# Allegro board MinnowMax_RevA1.brd (continued)
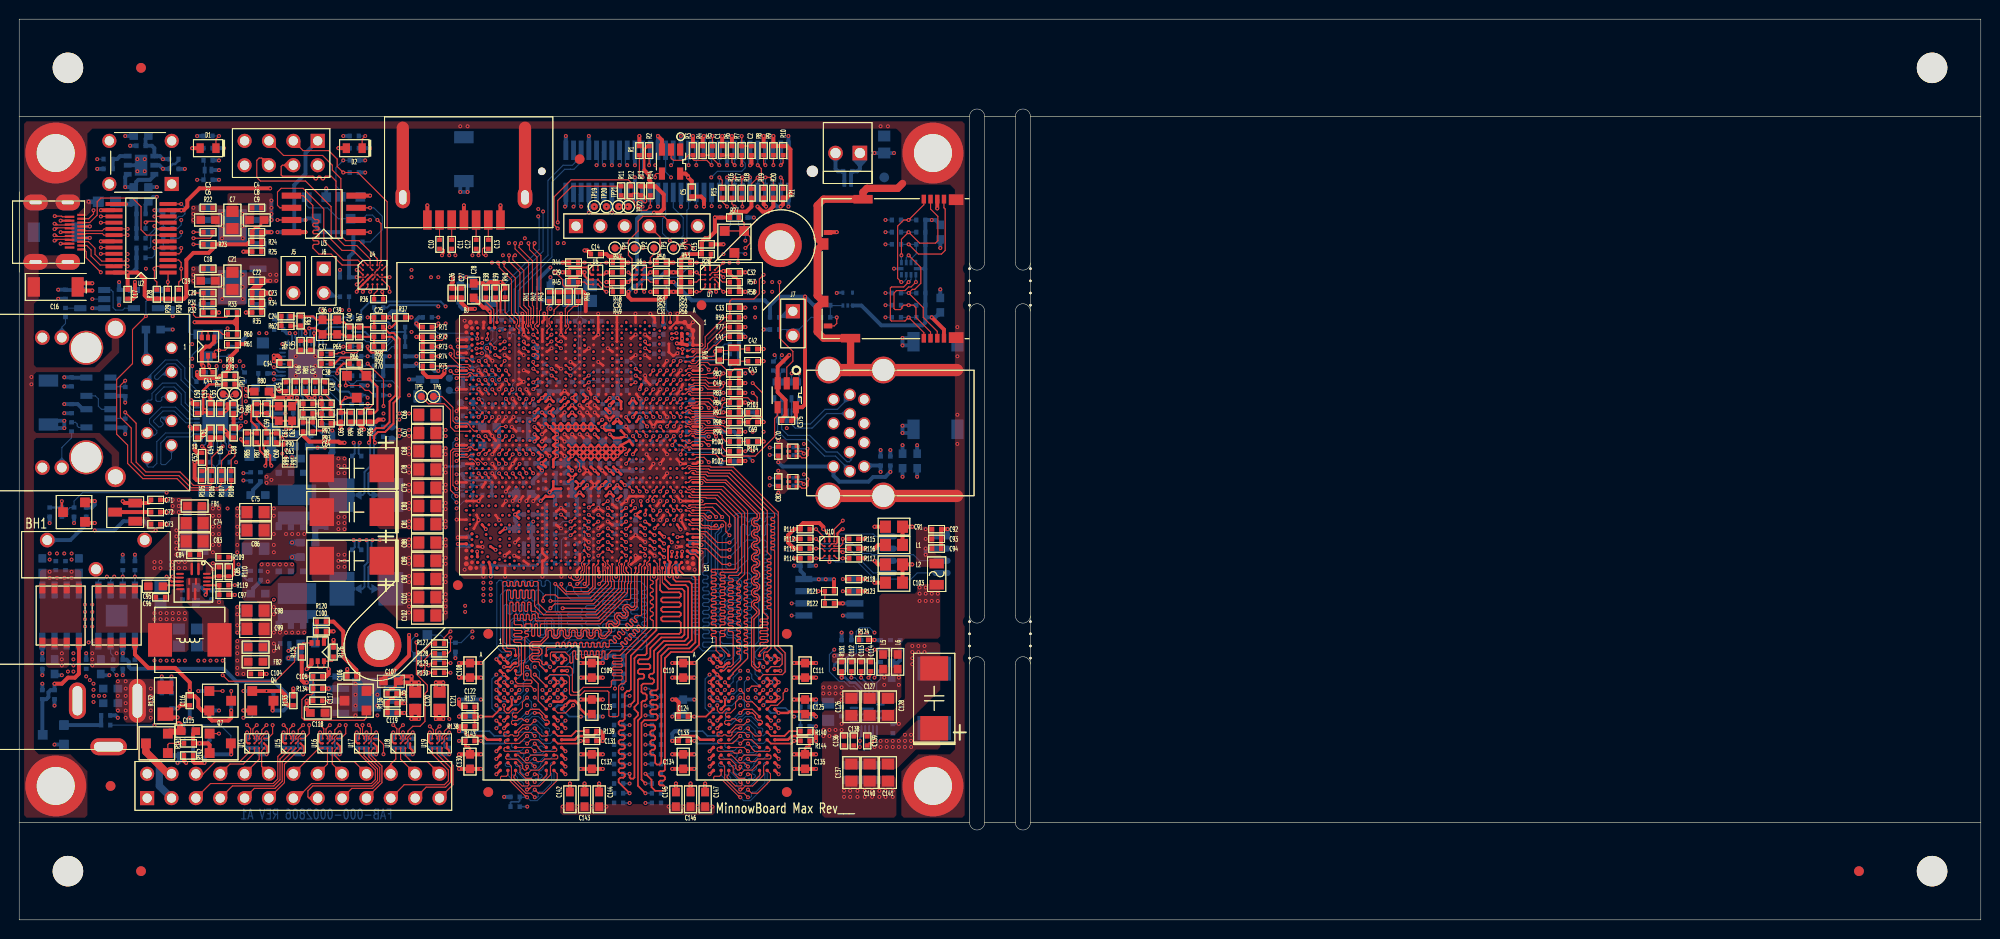
[diagram p0: board, top side]
## Routing (per net, layer and track width the routed paths; a pad name or vN(x,y) marks a point on that pad's centre or on a via; arc(x,y) is an arc through that point) (continued)
M_BS_A2: length 67.4
  TOP w0.102: MEM1.M3 51.94,18.79 52.7,19.56 53.37,19.56 v1(53.74,19.19) ; MEM2.M3 74.16,18.79 74.93,19.56 75.6,19.56 v1(75.97,19.19)
  TOP w0.173: v1(65.28,20.32) 66.13,20.32 66.29,20.15 66.29,19.92 66.13,19.76 65.93,19.76 65.79,19.61 65.79,19.38 65.93,19.24 66.15,19.24 66.29,19.09 66.29,18.89 66.15,18.74 65.93,18.74 65.79,18.6 65.79,18.39 65.93,18.25 66.15,18.25 66.29,18.1 66.29,17.9 66.15,17.75 65.95,17.75 65.79,17.59 65.79,17.35 65.91,17.22 66.17,17.22 66.29,17.1 66.29,16.38 66.47,16.2 66.76,16.2 66.93,16.37 66.93,27.56 67.69,28.32 69.85,28.32 70.48,28.96 70.48,35.69 70.17,36 69.28,36 68.8,36.48 68.8,37.05 CPU1.D52
  INT7(H) w0.157: v1(53.74,19.19) 53.87,19.06 61.73,19.06 62.48,19.81 64.77,19.81 v1(65.28,20.32) 66.42,19.18 66.93,19.18 67.18,19.43 67.69,19.43 67.94,19.18 68.45,19.18 68.7,19.43 69.34,19.43 69.6,19.18 70.1,19.18 70.35,19.43 70.74,19.43 70.99,19.18 74.42,19.18 74.81,18.79 75.56,18.79 v1(75.97,19.19)
  BOTTOM w0.102: v1(53.74,19.19) 53.58,19.19 53.47,19.29 53.47,19.46 53.58,19.56 54.01,19.56 54.23,19.34 54.23,19.05 54.49,18.79 MEM4.M3 ; MEM3.M3 76.71,18.79 76.45,19.05 76.45,19.34 76.23,19.56 75.8,19.56 75.7,19.46 75.7,19.29 75.8,19.19 v1(75.97,19.19)
  BOTTOM w0.173: R314.1 v1(65.28,20.32)
M_CAS_A_L: length 68.3
  TOP w0.102: MEM1.K3 51.41,20.39 51.31,20.49 51.31,20.69 51.41,20.79 51.91,20.79 52.1,20.98 52.43,20.98 52.62,20.79 v1(52.94,20.79) ; MEM2.K3 73.63,20.39 73.53,20.49 73.53,20.69 73.63,20.79 74.13,20.79 74.32,20.98 74.65,20.98 74.84,20.79 v1(75.16,20.79)
  TOP w0.173: CPU1.M44 v1(65.24,40.84)
  INT4(H) w0.157: v1(52.94,20.79) 53.34,20.39 58.36,20.39 58.67,20.7 59.12,20.7 59.42,20.4 59.77,20.4 60.07,20.7 60.55,20.7 60.85,20.4 61.3,20.4 61.59,20.7 61.98,20.7 62.29,20.39 62.68,20.39 v1(63.63,21.34) 64.26,21.34 64.77,20.83 67.31,20.83 67.75,20.39 74.76,20.39 v1(75.16,20.79)
  INT8(V) w0.102: 65.88,37.43 65.88,40.21 v1(65.24,40.84)
  INT8(V) w0.157: v1(63.63,21.34) 64.13,21.84 64.13,24.89 64.83,25.59 65.98,25.59 66.17,25.78 66.17,26.04 66.04,26.16 65.15,26.16 65.02,26.29 65.01,26.29 65.01,26.46 65.16,26.6 66.02,26.6 66.17,26.75 66.17,26.95 66.02,27.1 65.16,27.1 65.01,27.24 65.01,27.45 65.16,27.59 66.02,27.59 66.17,27.74 66.17,27.94 66.02,28.09 65.16,28.09 65.01,28.23 65.01,28.44 65.16,28.58 66.02,28.58 66.17,28.73 66.17,28.93 66.02,29.08 65.16,29.08 65.01,29.22 65.01,29.43 65.16,29.57 66.02,29.57 66.17,29.72 66.17,29.92 66.02,30.07 65.41,30.07 65.26,30.21 65.26,30.42 65.41,30.56 66.02,30.56 66.17,30.71 66.17,31.17 66.02,31.31 65.92,31.31 65.77,31.46 65.77,31.66 65.92,31.81 66.02,31.81 66.17,31.95 66.17,32.16 66.02,32.3 65.92,32.3 65.77,32.45 65.77,32.65 65.92,32.8 66.02,32.8 66.17,32.94 66.17,33.15 66.02,33.29 65.92,33.29 65.77,33.44 65.77,33.64 65.92,33.79 66.02,33.79 66.17,33.93 66.17,34.14 66.02,34.28 65.92,34.28 65.77,34.43 65.77,34.63 65.92,34.78 66.02,34.78 66.17,34.92 66.17,35.13 65.77,35.52 65.77,37.32 65.88,37.43
  BOTTOM w0.102: v1(52.94,20.79) 53.05,20.79 53.47,21.21 54.12,21.21 MEM4.K3 ; v1(75.16,20.79) 75.27,20.79 75.69,21.21 76.35,21.21 MEM3.K3
  BOTTOM w0.173: R317.1 v1(63.63,21.34)
M_CKE_A0: length 79.3
  TOP w0.173: MEM1.K9 v1(56.94,19.99) ; CPU1.C47 v1(68.61,39.94) ; MEM2.K9 v1(79.16,19.99)
  INT3(V) w0.157: v1(71.96,19.99) 71.58,20.38 71.58,20.95 72.22,21.59 73.41,21.59 74.21,22.39 v1(75.16,22.39) ; v1(52.94,22.39) 53.35,21.98 54.22,21.98 54.74,21.46 54.74,20.94 55.28,20.39 MEM1.K9 v1(56.94,19.99)
  INT4(H) w0.157: v1(52.94,22.39) 53.34,21.99 54.21,21.99 54.6,21.6 62.87,21.6 63.24,21.96 64.89,21.96 v1(65.28,22.35) 66.04,21.59 66.42,21.59 66.81,21.98 67.05,21.98 67.44,21.59 67.69,21.59 68.08,21.98 68.32,21.98 68.71,21.59 68.96,21.59 69.35,21.98 69.59,21.98 69.97,21.6 70.24,21.6 70.62,21.98 70.86,21.98 71.63,21.21 72.26,21.21 72.59,21.54 72.82,21.54 73.15,21.21 73.41,21.21 73.79,21.59 74.04,21.59 74.3,21.34 74.66,21.34 74.79,21.46 74.79,22.02 v1(75.16,22.39)
  INT7(H) w0.157: v1(52.94,22.39) 52.49,22.39 52.07,21.97 52.07,21.46 52.32,21.21 52.32,20.7 52.04,20.42 50.16,20.42 v1(49.74,19.99) ; v1(79.16,19.99) MEM2.K9 77.51,20.39 76.96,20.94 76.96,21.46 76.45,21.98 75.58,21.98 v1(75.16,22.39)
  INT8(V) w0.157: v1(68.61,39.94) 69.47,39.07 69.47,37.72 68.96,37.21 68.96,21.65 68.8,21.49 68.58,21.49 68.45,21.62 68.45,22.35 68.33,22.48 68.07,22.48 67.94,22.35 67.94,21.97 67.82,21.84 67.6,21.84 67.44,22 67.44,22.84 67.3,22.99 67.09,22.99 66.95,22.84 66.95,21.86 66.8,21.72 66.6,21.72 66.45,21.86 66.45,22.84 66.31,22.99 66.1,22.99 65.96,22.84 65.96,21.88 65.79,21.72 65.44,21.72 65.28,21.88 v1(65.28,22.35)
  BOTTOM w0.173: v1(49.74,19.99) MEM4.K9 ; MEM3.K9 72.36,20.39 v1(71.96,19.99) ; R312.1 v1(65.28,22.35)
M_CLK_A_N0: length 71.6
  TOP w0.119: MEM1.K7 55.12,20.39 55.24,20.51 55.24,20.68 55.09,20.83 54.78,20.83 54.52,21.1 54.52,21.28 54.21,21.59 v1(53.74,21.59) ; v1(75.97,21.59) 76.43,21.59 76.74,21.28 76.74,21.1 77.01,20.83 77.32,20.83 77.46,20.68 77.46,20.51 77.34,20.39 MEM2.K7 ; CPU1.M48 v1(65.24,38.71)
  INT7(H) w0.114: v1(75.97,21.59) 75.6,21.23 74.91,21.23 74.42,21.72 67.31,21.72 65.91,23.11 64.64,23.11 63.63,24.13 v1(62.87,24.13) 62.61,23.88 62.4,23.88 62.26,23.74 60.06,23.74 59.82,23.49 59.82,22.86 60.05,22.63 61.32,22.63 61.59,22.36 61.59,21.9 61.33,21.64 54.07,21.64 54.02,21.69 53.84,21.69 v1(53.74,21.59)
  INT8(V) w0.114: v1(62.87,24.13) 62.87,20.57 62.47,20.18 62.47,18.98 62.15,18.66 61.53,18.66 61.21,18.97 61.21,20.55 61.86,21.19 61.86,22.72 61.21,23.37 61.21,29.08 62.1,29.97 62.48,29.97 62.62,30.11 62.62,30.48 63.01,30.86 63.37,30.86 63.64,31.13 63.64,31.51 63.92,31.79 64.3,31.79 64.64,32.13 64.64,32.77 64.39,33.02 64.39,33.53 64.64,33.78 64.64,34.08 64.4,34.32 64.4,34.68 64.64,34.93 64.64,35.22 64.39,35.47 64.39,35.88 64.64,36.14 64.64,36.37 64.39,36.63 64.39,37.04 64.61,37.26 64.61,38.44 64.87,38.71 v1(65.24,38.71)
  BOTTOM w0.119: v1(62.87,24.13) 62.87,24.67 C331.1 62.99,24.8 R304.1 ; MEM3.K7 74.24,20.39 75.06,21.21 75.31,21.21 75.69,21.59 v1(75.97,21.59) ; MEM4.K7 52.01,20.39 52.83,21.21 53.09,21.21 53.47,21.59 v1(53.74,21.59)
M_CLK_A_P0: length 71.6
  TOP w0.119: MEM1.J7 54.94,21.22 54.19,21.97 53.32,21.97 v1(52.94,21.59) ; v1(65.24,38) 65.29,38.05 65.29,38.21 65.18,38.32 64.82,38.32 CPU1.M50 ; MEM2.J7 77.16,21.22 76.41,21.97 75.55,21.97 v1(75.16,21.59)
  INT7(H) w0.114: v1(75.16,21.59) 74.89,21.59 74.52,21.96 67.41,21.96 66.01,23.36 65.81,23.36 64.74,23.36 63.73,24.37 63.26,24.37 63.11,24.52 62.62,24.52 62.48,24.38 62.48,24.23 62.38,24.13 v1(62.1,24.13) 61.96,23.98 60.16,23.98 59.96,23.98 59.58,23.59 59.58,22.96 59.58,22.76 59.95,22.38 61.21,22.38 61.34,22.25 61.34,22 61.22,21.88 54.19,21.88 54.1,21.97 53.51,21.97 53.38,21.84 53.38,21.69 53.28,21.59 v1(52.94,21.59)
  INT8(V) w0.114: v1(62.1,24.13) 62,24.03 62,23.84 62.12,23.72 62.29,23.72 62.37,23.8 62.53,23.8 62.62,23.71 62.62,20.67 62.23,20.28 62.23,19.08 62.05,18.9 61.63,18.9 61.46,19.07 61.46,20.45 62.1,21.09 62.1,22.82 61.46,23.47 61.46,28.98 62.2,29.73 62.58,29.73 62.87,30.01 62.87,30.38 63.11,30.62 63.47,30.62 63.88,31.03 63.88,31.41 64.02,31.55 64.4,31.55 64.88,32.03 64.88,32.87 64.63,33.12 64.63,33.43 64.88,33.68 64.88,34.18 64.64,34.42 64.64,34.58 64.88,34.83 64.88,35.32 64.63,35.57 64.63,35.78 64.88,36.04 64.88,36.47 64.63,36.73 64.63,36.94 64.85,37.16 64.85,38.23 64.97,38.35 65.17,38.35 65.24,38.28 v1(65.24,38)
  BOTTOM w0.119: MEM3.J7 73.73,21.19 73.62,21.09 73.62,20.89 73.73,20.79 74.25,20.79 75.06,21.59 v1(75.16,21.59) ; v1(62.1,24.13) 62.1,24.67 C331.2 61.98,24.8 R305.1 ; v1(52.94,21.59) 52.83,21.59 52.03,20.79 51.5,20.79 51.4,20.89 51.4,21.09 51.5,21.19 MEM4.J7
M_CLK_A_R: length 2
  BOTTOM w0.173: R305.2 R304.2 62.99,27.53 C320.1
M_CS_A_L0: length 74.1
  TOP w0.102: v1(52.94,19.99) 52.5,19.99 52.07,19.56 52.07,19.3 51.95,19.19 51.55,19.19 51.44,19.3 51.18,19.3 51.05,19.18 50.62,19.18 50.52,19.28 50.52,19.49 50.62,19.59 MEM1.L2 ; v1(75.16,19.99) 74.73,19.99 74.3,19.56 74.3,19.3 74.18,19.19 73.78,19.19 73.66,19.3 73.41,19.3 73.28,19.18 72.84,19.18 72.74,19.28 72.74,19.49 72.84,19.59 MEM2.L2
  TOP w0.173: CPU1.P44 v1(63.26,40.8)
  INT4(H) w0.157: v1(75.16,19.99) 74.75,19.57 67.42,19.57 67.18,19.81 64.77,19.81 64.26,20.32 v1(63.63,20.32) 62.9,19.59 62.33,19.59 61.98,19.94 61.65,19.94 61.3,19.59 60.88,19.59 60.53,19.94 60.07,19.94 59.73,19.59 59.43,19.59 59.08,19.94 58.75,19.94 58.41,19.59 53.34,19.59 v1(52.94,19.99)
  INT8(V) w0.157: v1(63.26,40.8) 63.75,40.3 63.75,32.64 60.33,29.21 60.33,16.92 60.48,16.76 61.25,16.76 61.4,16.92 61.4,17.64 61.54,17.78 61.99,17.78 62.13,17.64 62.13,16.9 62.27,16.76 62.96,16.76 63.12,16.92 63.12,20.07 63.37,20.32 v1(63.63,20.32)
  BOTTOM w0.102: v1(52.94,19.99) 53.3,20.35 53.95,20.35 54.48,19.81 54.48,19.56 54.83,19.21 55.36,19.21 MEM4.L2 ; v1(75.16,19.99) 75.52,20.35 76.17,20.35 76.71,19.81 76.71,19.56 77.06,19.21 77.58,19.21 MEM3.L2
  BOTTOM w0.173: R318.1 v1(63.63,20.32)
M_DATA_A0: length 37.2
  TOP w0.114: CPU1.M36 v1(65.42,44.69) ; MEM2.E3 v1(73.56,24.79)
  INT3(V) w0.102: v1(65.42,44.69) 65.42,44.34 65.14,44.06 65.14,43.55 65.35,43.34 68.92,43.34 70.99,41.27 71.88,41.27 72.52,40.64 74.04,40.64 74.68,40 74.68,33.61 75.56,32.72 75.56,32.53 75.43,32.4 74.81,32.4 74.68,32.26 74.68,32.07 74.81,31.94 75.43,31.94 75.56,31.81 75.56,31.62 75.43,31.48 74.81,31.48 74.68,31.35 74.68,31.16 74.81,31.03 75.43,31.03 75.56,30.89 75.56,30.7 75.43,30.57 74.81,30.57 74.68,30.43 74.68,30.24 74.81,30.11 75.43,30.11 75.56,29.98 75.56,29.79 75.43,29.65 74.81,29.65 74.68,29.52 74.68,29.33 74.81,29.2 75.43,29.2 75.56,29.06 75.56,28.87 75.43,28.74 74.79,28.74 74.68,28.62 74.68,28.4 74.79,28.28 75.43,28.28 75.56,28.15 75.56,27.96 73.56,25.96 v1(73.56,24.79)
M_DATA_A1: length 37.2
  TOP w0.114: MEM2.F7 v1(77.57,23.99) ; v1(66.11,44.69) CPU1.J36
  INT3(V) w0.102: v1(77.57,23.99) 77.98,24.4 77.98,25.15 78.36,25.53 78.36,26.54 77.98,26.92 77.98,30.67 78.07,30.76 78.35,30.76 78.44,30.85 78.44,30.97 78.35,31.06 78.07,31.06 77.98,31.15 77.98,31.28 78.07,31.37 78.35,31.37 78.44,31.46 78.44,31.58 78.35,31.67 78.07,31.67 77.98,31.76 77.98,31.89 78.07,31.98 78.35,31.98 78.44,32.07 78.44,32.19 78.35,32.28 78.07,32.28 77.98,32.37 77.98,32.5 78.07,32.59 78.35,32.59 78.44,32.68 78.44,32.8 78.35,32.89 78.07,32.89 77.98,32.98 77.98,33.11 78.07,33.2 78.35,33.2 78.44,33.29 78.44,33.41 78.35,33.5 78.07,33.5 77.98,33.59 77.98,33.72 78.07,33.81 78.35,33.81 78.44,33.9 78.44,34.02 78.35,34.11 78.07,34.11 77.98,34.2 77.98,34.33 78.07,34.42 78.35,34.42 78.44,34.51 78.44,34.63 78.35,34.72 78.07,34.72 77.98,34.81 77.98,34.94 78.07,35.03 78.35,35.03 78.44,35.12 78.44,39.04 73.03,44.45 70.61,44.45 69.72,45.34 66.75,45.34 v1(66.11,44.69)
M_DATA_A2: length 37.2
  TOP w0.114: CPU1.P40 v1(63.97,43.7) ; MEM2.F2 v1(72.76,23.99)
  INT3(V) w0.102: v1(63.97,43.7) 64.27,43.7 64.9,43.06 66.25,43.06 66.47,42.84 66.47,42.57 66.67,42.37 68.89,42.37 70.48,40.77 71.63,40.77 73.41,38.99 73.41,36.83 74.17,36.07 74.17,33.37 74.05,33.25 73.53,33.25 73.41,33.13 73.41,32.96 73.53,32.84 74.05,32.84 74.17,32.72 74.17,32.55 74.05,32.44 73.53,32.44 73.41,32.32 73.41,32.15 73.53,32.03 74.05,32.03 74.17,31.91 74.17,31.74 74.05,31.62 73.53,31.62 73.41,31.5 73.41,31.34 73.53,31.22 74.05,31.22 74.17,31.1 74.17,30.93 74.05,30.81 73.53,30.81 73.41,30.69 73.41,30.52 73.53,30.4 74.05,30.4 74.17,30.28 74.17,30.12 74.05,30 73.53,30 73.41,29.88 73.41,29.71 73.53,29.59 74.05,29.59 74.17,29.47 74.17,29.3 74.05,29.18 73.53,29.18 73.41,29.07 73.41,28.9 73.53,28.78 74.05,28.78 74.17,28.66 74.17,28.49 74.05,28.37 73.53,28.37 73.41,28.25 73.41,28.08 73.53,27.97 74.05,27.97 74.17,27.85 74.17,27.56 73.15,26.54 73.15,24.38 v1(72.76,23.99)
M_DATA_A3: length 37.1
  TOP w0.114: MEM2.F8 v1(78.37,23.99) ; v1(64.78,43.7) CPU1.M40
  INT3(V) w0.102: v1(64.78,43.7) 64.78,44.21 65.04,44.46 65.04,44.85 65.79,45.59 69.98,45.59 70.74,44.83 73.15,44.83 78.74,39.24 78.74,30.45 78.65,30.37 78.45,30.37 78.36,30.28 78.36,30.15 78.45,30.06 78.65,30.06 78.74,29.97 78.74,29.84 78.65,29.76 78.45,29.76 78.36,29.67 78.36,29.54 78.45,29.45 78.65,29.45 78.74,29.36 78.74,29.24 78.65,29.15 78.45,29.15 78.36,29.06 78.36,28.93 78.45,28.84 78.65,28.84 78.74,28.75 78.74,28.63 78.65,28.54 78.45,28.54 78.36,28.45 78.36,28.32 78.45,28.23 78.65,28.23 78.74,28.14 78.74,28.02 78.65,27.93 78.45,27.93 78.36,27.84 78.36,27.71 78.45,27.62 78.65,27.62 78.74,27.53 78.74,24.37 v1(78.37,23.99)
M_DATA_A4: length 37.1
  TOP w0.114: MEM2.H3 73.68,21.99 73.28,21.59 73.03,21.59 72.77,21.84 72.77,22.38 v1(72.76,22.39) ; CPU1.P36 v1(63.97,44.69)
  INT3(V) w0.102: v1(63.97,44.69) 63.62,44.33 63.62,43.45 63.73,43.33 64.35,43.33 65.01,42.67 65.41,42.67 65.66,42.42 65.66,41.53 65.91,41.27 66.42,41.27 67.06,40.64 67.42,40.64 70.87,37.19 70.87,34.97 70.36,34.46 70.36,34.3 70.48,34.18 70.75,34.18 70.87,34.06 70.87,33.89 70.75,33.77 70.48,33.77 70.36,33.65 70.36,33.48 70.48,33.36 70.75,33.36 70.87,33.24 70.87,33.08 70.75,32.96 70.48,32.96 70.36,32.84 70.36,32.67 70.48,32.55 70.75,32.55 70.87,32.43 70.87,32.26 70.75,32.14 70.48,32.14 70.36,32.03 70.36,31.86 70.48,31.74 70.75,31.74 70.87,31.62 70.87,31.45 70.75,31.33 70.48,31.33 70.36,31.21 70.36,31.04 70.48,30.92 70.75,30.92 70.87,30.81 70.87,30.64 70.75,30.52 70.48,30.52 70.36,30.4 70.36,30.23 70.48,30.11 70.75,30.11 70.87,29.99 70.87,29.82 70.75,29.71 70.48,29.71 70.36,29.59 70.36,29.42 70.48,29.3 70.75,29.3 70.87,29.18 70.87,29.01 70.75,28.89 70.48,28.89 70.36,28.77 70.36,28.61 70.48,28.49 70.75,28.49 70.87,28.37 70.87,28.2 70.75,28.08 70.59,28.08 70.48,27.98 70.48,27.67 70.87,27.28 70.87,22.99 71.81,22.05 72.42,22.05 v1(72.76,22.39)
M_DATA_A5: length 37.2
  TOP w0.114: CPU1.N36 v1(64.68,44.69) ; v1(79.97,23.99) 79.63,23.65 79.63,22.99 79.03,22.39 78.37,22.39 MEM2.H8
  INT3(V) w0.102: v1(64.68,44.69) 64.68,44.87 65.66,45.85 70.23,45.85 70.87,45.21 73.28,45.21 79.12,39.37 79.12,28.07 79.97,27.22 v1(79.97,23.99)
M_DATA_A6: length 37.2
  TOP w0.114: MEM2.G2 v1(72.76,23.19) ; CPU1.K40 v1(66.11,42.71)
  INT3(V) w0.102: v1(66.11,42.71) 66.11,42.35 66.4,42.06 66.96,42.06 67.18,41.84 67.18,41.53 67.44,41.27 69.09,41.27 69.98,40.39 71.37,40.39 72.39,39.37 72.39,37.32 72.51,37.2 72.91,37.2 73.03,37.08 73.03,36.91 72.91,36.79 72.51,36.79 72.39,36.67 72.39,36.5 72.51,36.39 72.91,36.39 73.03,36.27 73.03,36.1 72.91,35.98 72.51,35.98 72.39,35.86 72.39,35.69 72.51,35.57 72.91,35.57 73.03,35.45 73.03,35.29 72.91,35.17 72.51,35.17 72.39,35.05 72.39,34.88 72.51,34.76 72.91,34.76 73.03,34.64 73.03,34.47 72.91,34.35 72.51,34.35 72.39,34.23 72.39,34.07 72.51,33.95 72.91,33.95 73.03,33.83 73.03,33.66 72.91,33.54 72.51,33.54 72.39,33.42 72.39,33.25 72.51,33.13 72.91,33.13 73.03,33.02 73.03,32.85 72.91,32.73 72.51,32.73 72.39,32.61 72.39,32.44 72.51,32.32 72.91,32.32 73.03,32.2 73.03,32.03 72.91,31.92 72.51,31.92 72.39,31.8 72.39,31.63 72.51,31.51 72.91,31.51 73.03,31.39 73.03,31.22 72.91,31.1 72.51,31.1 72.39,30.98 72.39,30.81 72.51,30.7 72.91,30.7 73.03,30.58 73.03,30.41 72.91,30.29 72.51,30.29 72.39,30.17 72.39,30 72.51,29.88 72.91,29.88 73.03,29.76 73.03,29.6 72.91,29.48 72.51,29.48 72.39,29.36 72.39,29.19 72.51,29.07 72.91,29.07 73.03,28.95 73.03,28.78 72.91,28.66 72.51,28.66 72.39,28.54 72.39,28.38 72.51,28.26 72.91,28.26 73.03,28.14 73.03,27.97 72.39,27.34 72.39,23.57 v1(72.76,23.19)
M_DATA_A7: length 37.2
  TOP w0.114: MEM2.H7 76.4,22.75 75.8,22.75 75.56,22.99 75.56,23.59 v1(75.16,23.99) ; CPU1.K42 v1(66.11,41.72)
  INT3(V) w0.102: v1(66.11,41.72) 66.33,41.72 67.03,41.02 67.56,41.02 68.2,40.38 69.09,40.38 69.98,39.5 69.98,38.86 71.88,36.96 71.88,34.42 71.77,34.3 71.49,34.3 71.37,34.18 71.37,34.02 71.49,33.9 71.76,33.9 71.88,33.78 71.88,33.61 71.76,33.49 71.49,33.49 71.37,33.37 71.37,33.2 71.49,33.08 71.76,33.08 71.88,32.96 71.88,32.8 71.76,32.68 71.49,32.68 71.37,32.56 71.37,32.39 71.49,32.27 71.76,32.27 71.88,32.15 71.88,31.98 71.76,31.86 71.49,31.86 71.37,31.75 71.37,31.58 71.49,31.46 71.76,31.46 71.88,31.34 71.88,31.17 71.76,31.05 71.49,31.05 71.37,30.93 71.37,30.76 71.49,30.64 71.76,30.64 71.88,30.53 71.88,30.36 71.76,30.24 71.49,30.24 71.37,30.12 71.37,29.95 71.49,29.83 71.76,29.83 71.88,29.71 71.88,29.54 71.76,29.43 71.49,29.43 71.37,29.31 71.37,29.14 71.49,29.02 71.76,29.02 71.88,28.9 71.88,28.73 71.76,28.61 71.49,28.61 71.37,28.49 71.37,28.33 71.49,28.21 71.76,28.21 71.88,28.09 71.88,27.92 71.37,27.41 71.37,23.24 71.78,22.83 75.29,22.83 75.51,23.05 75.51,23.65 v1(75.16,23.99)
M_DATA_A8: length 32.1
  TOP w0.102: CPU1.B32 70.6,47.1 70.66,47.04
  TOP w0.114: 70.66,47.04 71.88,47.04 72.01,46.91 74.24,46.91 78.74,42.42 78.74,42.05 78.65,41.96 78.45,41.96 78.36,41.87 78.36,41.75 78.45,41.66 78.65,41.66 78.74,41.57 78.74,41.44 78.65,41.35 78.45,41.35 78.36,41.26 78.36,41.14 78.45,41.05 78.65,41.05 78.74,40.96 78.74,40.83 78.65,40.74 78.45,40.74 78.36,40.65 78.36,40.53 78.45,40.44 78.65,40.44 78.74,40.35 78.74,40.22 78.65,40.13 78.45,40.13 78.36,40.04 78.36,39.92 78.45,39.83 78.65,39.83 78.74,39.74 78.74,39.61 78.65,39.52 78.45,39.52 78.36,39.43 78.36,39.31 78.45,39.22 78.65,39.22 78.74,39.13 78.74,39 78.65,38.91 78.45,38.91 78.36,38.82 78.36,38.7 78.45,38.61 78.65,38.61 78.74,38.52 78.74,28.45 79.53,27.66 79.53,26.7 79.25,26.42 78.39,26.42 MEM2.C8
M_DATA_A9: length 32
  TOP w0.102: CPU1.C32 69.44,47.1 69.73,47.39 69.97,47.39 70.06,47.3 70.8,47.3
  TOP w0.114: 70.8,47.3 70.84,47.35 72.01,47.35 72.11,47.24 74.42,47.24 79.12,42.55 79.12,28.57 79.83,27.86 79.83,25.87 79.55,25.59 77.57,25.59 MEM2.D7
M_DATA_A10: length 32
  TOP w0.102: CPU1.C36 69.44,45.16 69.73,44.86 69.99,44.86 70.07,44.95 70.39,44.95 70.43,44.91
  TOP w0.114: MEM2.C3 74.12,25.99 75.18,27.05 75.18,27.63 75.09,27.72 74.89,27.72 74.8,27.81 74.8,27.94 74.89,28.02 75.09,28.02 75.18,28.11 75.18,28.24 75.09,28.33 74.89,28.33 74.8,28.42 74.8,28.54 74.89,28.63 75.09,28.63 75.18,28.72 75.18,28.85 75.09,28.94 74.89,28.94 74.8,29.03 74.8,29.15 74.89,29.24 75.09,29.24 75.18,29.33 75.18,29.46 75.09,29.55 74.89,29.55 74.8,29.64 74.8,29.76 74.89,29.85 75.09,29.85 75.18,29.94 75.18,30.07 75.09,30.16 74.89,30.16 74.8,30.25 74.8,30.37 74.89,30.46 75.09,30.46 75.18,30.55 75.18,30.68 75.09,30.77 74.89,30.77 74.8,30.86 74.8,30.98 74.89,31.07 75.09,31.07 75.18,31.16 75.18,31.29 75.09,31.38 74.89,31.38 74.8,31.47 74.8,31.59 74.89,31.68 75.09,31.68 75.18,31.77 75.18,31.9 75.09,31.99 74.89,31.99 74.8,32.08 74.8,32.2 74.89,32.29 75.09,32.29 75.18,32.38 75.18,32.51 75.09,32.6 74.89,32.6 74.8,32.69 74.8,32.81 74.89,32.9 75.09,32.9 75.18,32.99 75.18,33.12 75.09,33.21 74.89,33.21 74.8,33.3 74.8,33.42 74.89,33.51 75.09,33.51 75.18,33.6 75.18,33.73 75.09,33.82 74.89,33.82 74.8,33.9 74.8,34.03 74.89,34.12 75.09,34.12 75.18,34.21 75.18,34.34 75.09,34.43 74.89,34.43 74.8,34.51 74.8,34.64 74.89,34.73 75.09,34.73 75.18,34.82 75.18,34.95 75.09,35.03 74.89,35.03 74.8,35.12 74.8,35.25 75.62,36.06 75.62,42.49 73.2,44.91 70.43,44.91
M_DATA_A11: length 31.9
  TOP w0.114: CPU1.A37 70.3,44.61 72.99,44.61 75.31,42.29 75.31,36.32 74.93,35.94 74.04,35.94 73.94,35.84 73.94,35.7 74.04,35.59 74.32,35.59 74.42,35.49 74.42,35.35 74.33,35.26 74,35.26 73.91,35.17 73.91,35.04 74,34.95 74.33,34.95 74.42,34.87 74.42,34.74 74.33,34.65 74,34.65 73.91,34.56 73.91,34.43 74,34.35 74.33,34.35 74.42,34.26 74.42,34.13 74.33,34.04 74,34.04 73.91,33.95 73.91,33.82 74,33.74 74.33,33.74 74.42,33.65 74.42,33.52 74.33,33.43 74,33.43 73.91,33.34 73.91,33.22 74,33.13 74.33,33.13 74.42,33.04 74.42,32.91 74.33,32.82 74,32.82 73.91,32.73 73.91,32.61 74,32.52 74.33,32.52 74.42,32.43 74.42,32.3 74.33,32.21 74,32.21 73.91,32.12 73.91,32 74,31.91 74.33,31.91 74.42,31.82 74.42,31.69 74.33,31.6 74,31.6 73.91,31.51 73.91,31.39 74,31.3 74.33,31.3 74.42,31.21 74.42,31.08 74.33,30.99 74,30.99 73.91,30.9 73.91,30.78 74,30.69 74.33,30.69 74.42,30.6 74.42,30.47 74.33,30.38 74,30.38 73.91,30.29 73.91,30.17 74,30.08 74.33,30.08 74.42,29.99 74.42,26.67 74.17,26.42 73.86,26.42 73.44,25.99 MEM2.C2
M_DATA_A12: length 32
  TOP w0.102: 70.61,46.74 70.45,46.89 70.07,46.89 69.79,46.61 CPU1.C33
  TOP w0.114: 70.61,46.74 71.75,46.74 71.88,46.61 74.04,46.61 77.98,42.67 77.98,38.35 78.36,37.97 78.36,37.74 78.27,37.66 78.07,37.66 77.98,37.57 77.98,37.44 78.07,37.35 78.27,37.35 78.36,37.26 78.36,37.13 78.27,37.05 78.07,37.05 77.98,36.96 77.98,36.83 78.07,36.74 78.27,36.74 78.36,36.65 78.36,36.53 78.27,36.44 78.07,36.44 77.98,36.35 77.98,36.22 78.07,36.13 78.27,36.13 78.36,36.04 78.36,35.92 78.27,35.83 78.07,35.83 77.98,35.74 77.98,35.61 78.07,35.52 78.27,35.52 78.36,35.43 78.36,35.31 78.27,35.22 78.07,35.22 77.98,35.13 77.98,35 78.07,34.91 78.27,34.91 78.36,34.82 78.36,34.7 78.27,34.61 78.07,34.61 77.98,34.52 77.98,34.39 78.07,34.3 78.27,34.3 78.36,34.21 78.36,34.09 78.27,34 78.07,34 77.98,33.91 77.98,33.78 78.07,33.69 78.27,33.69 78.36,33.6 78.36,33.48 78.27,33.39 78.07,33.39 77.98,33.3 77.98,33.17 78.07,33.08 78.27,33.08 78.36,32.99 78.36,32.87 78.27,32.78 78.07,32.78 77.98,32.69 77.98,32.56 78.07,32.47 78.27,32.47 78.36,32.38 78.36,28.32 77.98,27.94 77.72,27.94 77.6,27.81 77.6,27.16 MEM2.B8
M_DATA_A13: length 32
  TOP w0.114: CPU1.A33 70.37,46.48 71.58,46.48 71.76,46.3 73.85,46.3 77.6,42.55 77.6,32.06 78.05,31.6 78.05,31.48 77.96,31.39 77.31,31.39 77.22,31.3 77.22,31.17 77.31,31.08 77.96,31.08 78.05,30.99 78.05,30.87 77.96,30.78 77.31,30.78 77.22,30.69 77.22,30.56 77.31,30.47 77.96,30.47 78.05,30.39 78.05,30.26 77.96,30.17 77.31,30.17 77.22,30.08 77.22,29.95 77.31,29.86 77.96,29.86 78.05,29.78 78.05,29.65 77.96,29.56 77.31,29.56 77.22,29.47 77.22,29.34 77.31,29.26 77.96,29.26 78.05,29.17 78.05,29.04 77.96,28.95 77.31,28.95 77.22,28.86 77.22,28.73 77.31,28.65 77.89,28.65 77.98,28.56 77.98,28.43 77.89,28.34 77.62,28.34 77.16,27.89 MEM2.A7
M_DATA_A14: length 32
  TOP w0.102: CPU1.C37 69.58,44.58 69.89,44.58 70.16,44.3
  TOP w0.114: 70.16,44.3 72.79,44.3 74.93,42.16 74.93,36.45 74.75,36.27 73.16,36.27 73.07,36.18 73.07,36.06 73.16,35.97 73.49,35.97 73.58,35.88 73.58,35.75 73.49,35.66 73.16,35.66 73.07,35.57 73.07,35.45 73.16,35.36 73.49,35.36 73.58,35.27 73.58,35.14 73.49,35.05 73.16,35.05 73.07,34.96 73.07,34.84 73.16,34.75 73.49,34.75 73.58,34.66 73.58,34.53 73.49,34.44 73.16,34.44 73.07,34.35 73.07,34.23 73.16,34.14 73.49,34.14 73.58,34.05 73.58,33.92 73.49,33.83 73.16,33.83 73.07,33.74 73.07,33.62 73.16,33.53 73.49,33.53 73.58,33.44 73.58,33.31 73.49,33.22 73.16,33.22 73.07,33.13 73.07,33.01 73.16,32.92 73.49,32.92 73.58,32.83 73.58,32.7 73.49,32.61 73.16,32.61 73.07,32.52 73.07,32.4 73.16,32.31 73.49,32.31 73.58,32.22 73.58,32.09 73.49,32 73.16,32 73.07,31.91 73.07,31.79 73.16,31.7 73.49,31.7 73.58,31.61 73.58,31.48 73.49,31.39 73.16,31.39 73.07,31.31 73.07,31.18 73.16,31.09 73.49,31.09 73.58,31 73.58,30.87 73.49,30.78 73.16,30.78 73.07,30.7 73.07,30.57 73.16,30.48 73.49,30.48 73.58,30.39 73.58,30.26 73.49,30.18 73.16,30.18 73.07,30.09 73.07,29.96 73.16,29.87 73.49,29.87 73.58,29.78 73.58,29.65 73.49,29.57 73.16,29.57 73.07,29.48 73.07,28.49 MEM2.A3
M_DATA_A15: length 31.9
  TOP w0.114: MEM2.A2 72.64,28.11 72.64,29.46 72.54,29.57 72.23,29.57 72.14,29.65 72.14,29.78 72.23,29.87 72.55,29.87 72.64,29.96 72.64,30.09 72.55,30.18 72.23,30.18 72.14,30.26 72.14,30.39 72.23,30.48 72.55,30.48 72.64,30.57 72.64,30.7 72.55,30.78 72.23,30.78 72.14,30.87 72.14,31 72.23,31.09 72.55,31.09 72.64,31.18 72.64,31.31 72.55,31.39 72.23,31.39 72.14,31.48 72.14,31.61 72.23,31.7 72.55,31.7 72.64,31.79 72.64,31.91 72.55,32 72.23,32 72.14,32.09 72.14,32.22 72.23,32.31 72.55,32.31 72.64,32.4 72.64,32.52 72.55,32.61 72.23,32.61 72.14,32.7 72.14,32.83 72.23,32.92 72.55,32.92 72.64,33.01 72.64,33.13 72.55,33.22 72.23,33.22 72.14,33.31 72.14,33.44 72.23,33.53 72.55,33.53 72.64,33.62 72.64,33.74 72.55,33.83 72.23,33.83 72.14,33.92 72.14,34.05 72.23,34.14 72.55,34.14 72.64,34.23 72.64,34.35 72.55,34.44 72.23,34.44 72.14,34.53 72.14,34.66 72.23,34.75 72.55,34.75 72.64,34.84 72.64,34.96 72.55,35.05 72.23,35.05 72.14,35.14 72.14,35.27 72.23,35.36 72.55,35.36 72.64,35.45 72.64,35.57 72.55,35.66 72.23,35.66 72.14,35.75 72.14,35.88 72.23,35.97 72.55,35.97 72.64,36.06 72.64,36.18 72.55,36.27 72.23,36.27 72.14,36.36 72.14,36.49 72.23,36.58 74.52,36.58 74.63,36.68 74.63,41.96 72.59,44 71.63,44 71.56,44.07 69.97,44.07 CPU1.B38
M_DATA_A16: length 32.9
  TOP w0.114: CPU1.F36 v1(68.24,44.69)
  INT8(V) w0.102: v1(68.24,44.69) 68.61,44.32 71.5,44.32 76.83,38.99 76.83,38.54 76.72,38.42 76.45,38.42 76.33,38.3 76.33,38.13 76.45,38.01 76.72,38.01 76.83,37.89 76.83,37.72 76.72,37.61 76.45,37.61 76.33,37.49 76.33,37.32 76.45,37.2 76.72,37.2 76.83,37.08 76.83,36.91 76.72,36.79 76.45,36.79 76.33,36.67 76.33,36.51 76.45,36.39 76.72,36.39 76.83,36.27 76.83,36.1 76.72,35.98 76.45,35.98 76.33,35.86 76.33,35.69 76.45,35.57 76.72,35.57 76.83,35.45 76.83,35.29 76.72,35.17 76.45,35.17 76.33,35.05 76.33,34.88 76.45,34.76 76.72,34.76 76.83,34.64 76.83,34.47 76.72,34.35 76.45,34.35 76.33,34.24 76.33,34.07 76.45,33.95 76.72,33.95 76.83,33.83 76.83,33.66 76.72,33.54 76.45,33.54 76.33,33.42 76.33,33.25 76.45,33.14 76.72,33.14 76.83,33.02 76.83,32.85 76.72,32.73 76.45,32.73 76.33,32.61 76.33,32.44 76.45,32.32 76.73,32.32 76.83,32.22 76.83,26.86 v1(75.97,25.99)
  BOTTOM w0.114: v1(75.97,25.99) 76.36,25.6 76.36,25.2 MEM3.E3
M_DATA_A17: length 33
  TOP w0.114: v1(67.53,44.69) CPU1.G38
  INT8(V) w0.102: v1(67.53,44.69) 68.16,44.05 69.99,44.05 71.67,42.38 71.67,41.88 71.86,41.68 73.38,41.68 73.63,41.43 73.63,40.92 73.91,40.64 74.55,40.64 75.95,39.24 75.95,31.88 76.05,31.78 76.36,31.78 76.45,31.69 76.45,31.52 76.33,31.4 76.07,31.4 75.95,31.28 75.95,31.11 76.07,31 76.33,31 76.45,30.88 76.45,30.71 76.33,30.59 76.07,30.59 75.95,30.47 75.95,30.3 76.07,30.18 76.33,30.18 76.45,30.06 76.45,29.89 76.33,29.78 76.07,29.78 75.95,29.66 75.95,29.49 76.07,29.37 76.33,29.37 76.45,29.25 76.45,29.08 76.33,28.96 76.07,28.96 75.95,28.84 75.95,28.68 76.07,28.56 76.33,28.56 76.45,28.44 76.45,28.27 76.33,28.15 76.07,28.15 75.95,28.03 75.95,27.86 76.07,27.74 76.33,27.74 76.45,27.62 76.45,27.18 75.56,26.29 75.56,25.59 v1(75.16,25.19)